# KiCad board tkl_keyboard.kicad_pcb (continued)
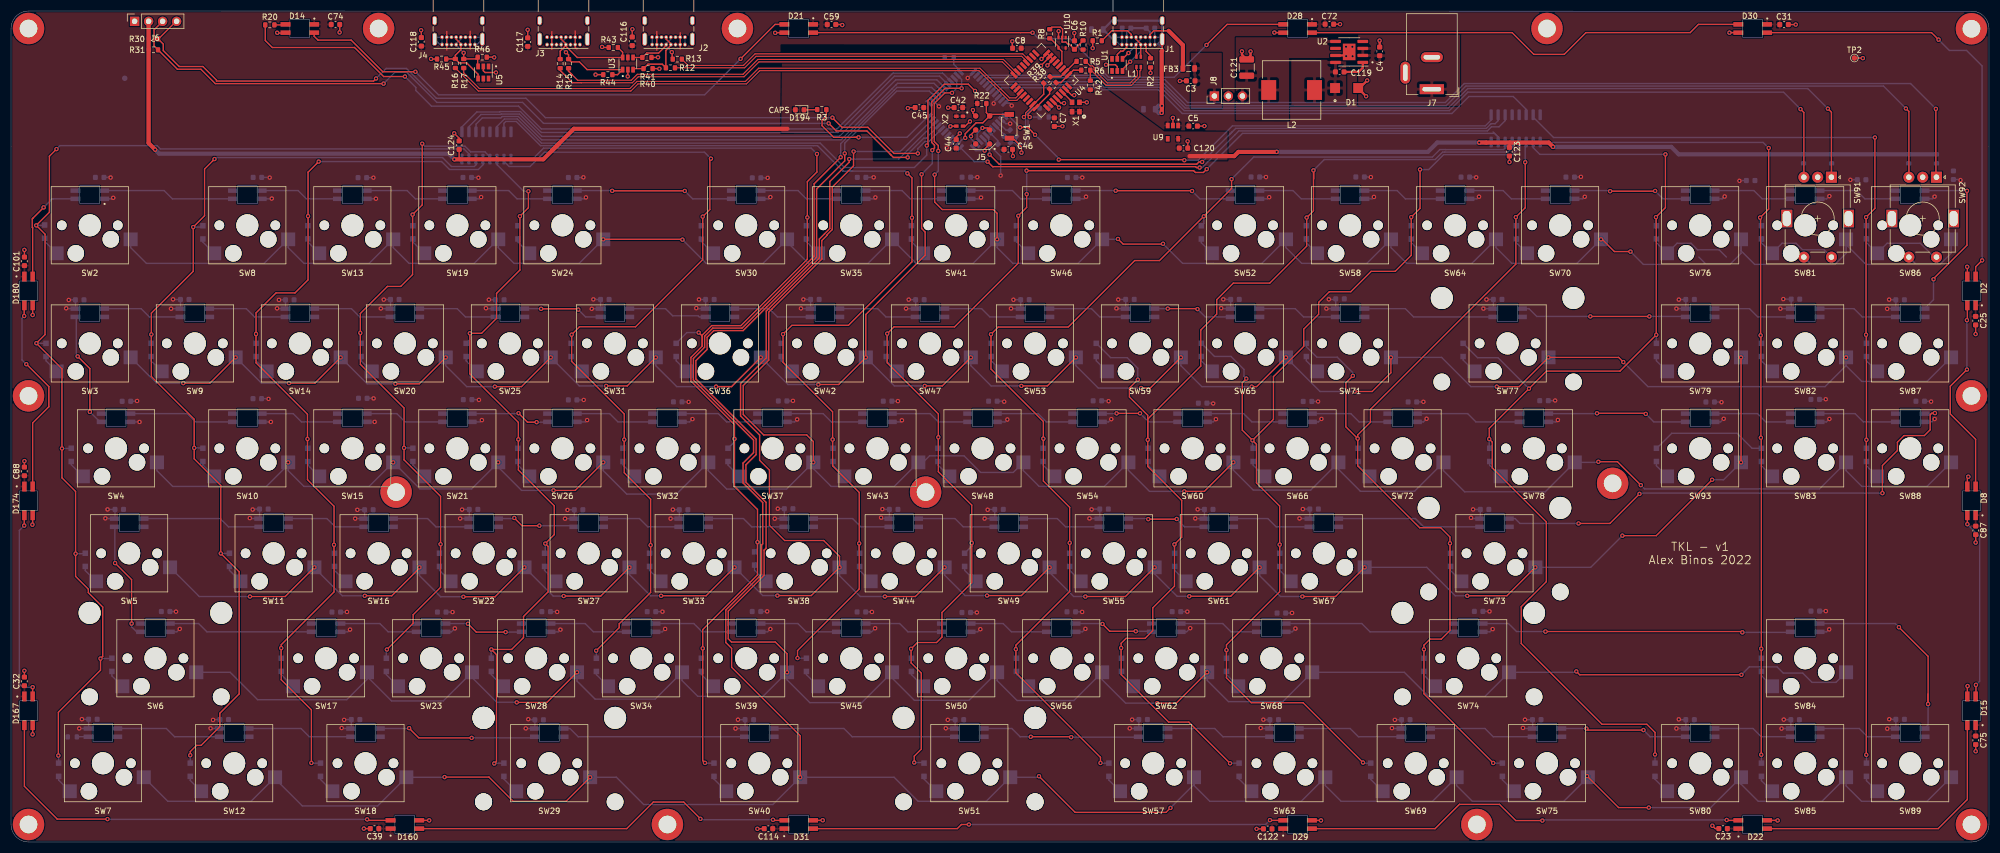
[diagram p0: board, top side]
## Placement (name value [footprint] x y rotation side) (continued)
SW74  K75  [CherryMX_2.75u_PCB_KailhSocket_StabWireBottom]  264.32 33.34 180 top
SW75  K85  [CherryMX_1.25u_PCB_KailhSocket]  278.61 14.29 180 top
SW76  K13  [CherryMX_1.00u_PCB_KailhSocket]  306.39 111.92 180 top
SW77  K29  [CherryMX_2.00u_PCB_KailhSocket_StabWireBottom]  271.46 90.49 180 top
SW78  K45  [CherryMX_1.50u_PCB_KailhSocket]  276.22 71.44 180 top
SW79  K61  [CherryMX_1.00u_PCB_KailhSocket]  306.39 90.49 180 top
SW80  K86  [CherryMX_1.00u_PCB_KailhSocket]  306.39 14.29 180 top
SW81  K14  [CherryMX_1.00u_PCB_KailhSocket]  325.44 111.92 180 top
SW82  K30  [CherryMX_1.00u_PCB_KailhSocket]  325.44 90.49 180 top
SW83  K46  [CherryMX_1.00u_PCB_KailhSocket]  325.44 71.44 180 top
SW84  K76  [CherryMX_1.00u_PCB_KailhSocket]  325.44 33.34 180 top
SW85  K87  [CherryMX_1.00u_PCB_KailhSocket]  325.44 14.29 180 top
SW86  K15  [CherryMX_1.00u_PCB_KailhSocket]  344.49 111.92 180 top
SW87  K31  [CherryMX_1.00u_PCB_KailhSocket]  344.49 90.49 180 top
SW88  K47  [CherryMX_1.00u_PCB_KailhSocket]  344.49 71.44 180 top
SW89  K88  [CherryMX_1.00u_PCB_KailhSocket]  344.49 14.29 180 top
SW91  Rotary_Encoder_Switch  [RotaryEncoder_Alps_EC11E-Switch_Vertical_H20mm]  330.2 120.65 270 top
SW92  Rotary_Encoder_Switch  [RotaryEncoder_Alps_EC11E-Switch_Vertical_H20mm]  349.25 120.65 270 top
SW93  K62  [CherryMX_1.00u_PCB_KailhSocket]  306.39 71.44 180 top
TP1  TestPoint  [TestPoint_Pad_D1.0mm]  20.62 138.6 0 bottom
TP2  TestPoint  [TestPoint_Pad_D1.0mm]  334.37 142.28 0 top
U1  SRV05-4  [SOT-23-6]  200.66 141.03 90 top
U2  ADP2303ARDZ-5.0  [SOIC-8-1EP_3.9x4.9mm_P1.27mm_EP2.29x3mm]  242.72 143.39 180 top
U3  SRV05-4  [SOT-23-6]  111.89 141.28 90 top
U4  -  [TUSB2046b]  186.88 138.22 225 top
U5  SRV05-4  [SOT-23-6]  85.67 139.65 270 top
U6  ATmega32U4-AU  [TQFP-44_10x10mm_P0.8mm]  173.39 132.88 135 bottom
U7  CD74HC138  [SOIC-16_3.9x9.9mm_P1.27mm]  86.23 126.41 270 bottom
U8  CD74HC138  [SOIC-16_3.9x9.9mm_P1.27mm]  272.92 129.51 270 bottom
U9  TCR2EF33  [TCR2EF33_SOT25]  211.71 130.03 180 top
U10  74AHC1G17  [SOT-353_SC-70-5]  190.65 145.06 270 top
X1  -  [625L3C006M00000]  193.8 132.54 90 top
X2  -  [KC2016K]  172.07 130.82 90 top

## Footprints (pads in the part's own frame, mm; a bottom-side part is the same pattern mirrored in y, then rotated)
625L3C006M00000
  rect 1x0.85 smd: 1(0,0) 2(1.7,0) 3(1.7,1.35) 4(0,1.35)
BarrelJack_Wuerth_6941xx301002
  rect 4.4x1.8 hole 3.4x0.8: 1(0,0)
  oval 4x1.8 hole 3x0.8: 2(0,-5.8)
  oval 1.8x4 hole 0.8x3: 3(4.8,-3)
C_0603_1608Metric
  rrect 0.9x0.95 smd: 1(-0.775,0) 2(0.775,0)
C_1210_3225Metric
  rrect 1.15x2.7 smd: 1(-1.475,0) 2(1.475,0)
CherryMX_1.00u_PCB_KailhSocket
  round 1.75 hole 1.75 unplated: (-5.08,0) (5.08,0)
  round 3 hole 3 unplated: (-3.81,2.54) (2.54,5.08)
  round 4 hole 4 unplated: (0,0)
  rect 2.55x2.5 smd far side: 1(-7.41,2.54) 2(6.015,5.08)
CherryMX_1.25u_PCB_KailhSocket
  round 1.75 hole 1.75 unplated: (-5.08,0) (5.08,0)
  round 3 hole 3 unplated: (-3.81,2.54) (2.54,5.08)
  round 4 hole 4 unplated: (0,0)
  rect 2.55x2.5 smd far side: 1(-7.41,2.54) 2(6.015,5.08)
CherryMX_1.50u_PCB_KailhSocket
  round 1.75 hole 1.75 unplated: (-5.08,0) (5.08,0)
  round 3 hole 3 unplated: (-3.81,2.54) (2.54,5.08)
  round 4 hole 4 unplated: (0,0)
  rect 2.55x2.5 smd far side: 1(-7.41,2.54) 2(6.015,5.08)
CherryMX_1.75u_PCB_KailhSocket
  round 1.75 hole 1.75 unplated: (-5.08,0) (5.08,0)
  round 3 hole 3 unplated: (-3.81,2.54) (2.54,5.08)
  round 4 hole 4 unplated: (0,0)
  rect 2.55x2.5 smd far side: 1(-7.41,2.54) 2(6.015,5.08)
CherryMX_2.00u_PCB_KailhSocket_StabWireBottom
  round 3.05 hole 3.05 unplated: (-11.938,7) (11.938,7)
  round 4 hole 4 unplated: (-11.938,-8.24) (0,0) (11.938,-8.24)
  round 1.75 hole 1.75 unplated: (-5.08,0) (5.08,0)
  round 3 hole 3 unplated: (-3.81,2.54) (2.54,5.08)
  rect 2.55x2.5 smd far side: 1(-7.41,2.54) 2(6.015,5.08)
CherryMX_2.25u_PCB_KailhSocket_StabWireBottom
  round 3.05 hole 3.05 unplated: (-11.938,7) (11.938,7)
  round 4 hole 4 unplated: (-11.938,-8.24) (0,0) (11.938,-8.24)
  round 1.75 hole 1.75 unplated: (-5.08,0) (5.08,0)
  round 3 hole 3 unplated: (-3.81,2.54) (2.54,5.08)
  rect 2.55x2.5 smd far side: 1(-7.41,2.54) 2(6.015,5.08)
CherryMX_2.75u_PCB_KailhSocket_StabWireBottom
  round 3.05 hole 3.05 unplated: (-11.938,7) (11.938,7)
  round 4 hole 4 unplated: (-11.938,-8.24) (0,0) (11.938,-8.24)
  round 1.75 hole 1.75 unplated: (-5.08,0) (5.08,0)
  round 3 hole 3 unplated: (-3.81,2.54) (2.54,5.08)
  rect 2.55x2.5 smd far side: 1(-7.41,2.54) 2(6.015,5.08)
CherryMX_6.25u_PCB_KailhSocket_StabWireBottom
  round 3.05 hole 3.05 unplated: (-50,7) (50,7)
  round 4 hole 4 unplated: (-50,-8.24) (0,0) (50,-8.24)
  round 1.75 hole 1.75 unplated: (-5.08,0) (5.08,0)
  round 3 hole 3 unplated: (-3.81,2.54) (2.54,5.08)
  rect 2.55x2.5 smd far side: 1(-7.41,2.54) 2(6.015,5.08)
D_0603_1608Metric
  rrect 0.875x0.95 smd: 1(-0.787,0) 2(0.787,0)
DO-214AC
  rect 1.8x1.8 smd: 1(0,0) 2(4.2,0)
ISP_POGO
  round 1 smd: 1(0,0) 2(2.54,0) 3(0,-2.54) 4(2.54,-2.54) 5(0,-5.08) 6(2.54,-5.08)
KC2016K
  rect 0.6x0.8 smd: 1(0.9,-0.6) 2(-0.9,-0.6) 3(-0.9,0.6) 4(0.9,0.6)
L_10.4x10.4_H4.8
  rect 2.7x3.6 smd: 1(-4.15,0) 2(4.15,0)
L_0805_2012Metric
  rrect 0.875x1.2 smd: 1(-1.062,0) 2(1.062,0)
MountingHole_3.2mm_M3_ISO7380_Pad
  round 5.7 hole 3.2: 1(0,0)
OLED_128_64
  rect 1.7x1.7 hole 1: 1(-3.774,0.025)
  oval 1.7x1.7 hole 1: 2(-1.234,0.025) 3(1.306,0.025) 4(3.846,0.025)
PinHeader_1x03_P2.54mm_Vertical
  rect 1.7x1.7 hole 1: 1(0,0)
  oval 1.7x1.7 hole 1: 2(0,-2.54) 3(0,-5.08)
R_0603_1608Metric
  rrect 0.8x0.95 smd: 1(-0.825,0) 2(0.825,0)
RotaryEncoder_Alps_EC11E-Switch_Vertical_H20mm
  rect 2x2 hole 1: A(0,0)
  round 2 hole 1: B(0,-5) C(0,-2.5) S1(14.5,-5) S2(14.5,0)
  rect 3.2x2 hole 2.8x1.5: MP(7.5,3.1) MP(7.5,-8.1)
SK6812-MINI-E
  rect 1.8x0.82 smd far side: 1(-2.6,0.75) 2(-2.6,-0.75) 3(2.6,-0.75) 4(2.6,0.75)
SMM2012E
  rect 0.45x0.75 smd: 1(-0.4,-0.925) 2(0.4,-0.925) 3(0.4,0.925) 4(-0.4,0.925)
SOD323_HS
  rect 1x1 smd: 1(0,0) 2(2.4,0)
SOIC-8-1EP_3.9x4.9mm_P1.27mm_EP2.29x3mm
  rrect 0.92x1.21 smd: (-0.57,0.75) (-0.57,-0.75) (0.57,0.75) (0.57,-0.75)
  rrect 1.95x0.6 smd: 1(-2.475,1.905) 2(-2.475,0.635) 3(-2.475,-0.635) 4(-2.475,-1.905) 5(2.475,-1.905) 6(2.475,-0.635) 7(2.475,0.635) 8(2.475,1.905)
  rect 2.29x3 smd: 9(0,0)
SOIC-16_3.9x9.9mm_P1.27mm
  rrect 1.95x0.6 smd: 1(-2.475,4.445) 2(-2.475,3.175) 3(-2.475,1.905) 4(-2.475,0.635) 5(-2.475,-0.635) 6(-2.475,-1.905) 7(-2.475,-3.175) 8(-2.475,-4.445) 9(2.475,-4.445) 10(2.475,-3.175) 11(2.475,-1.905) 12(2.475,-0.635) 13(2.475,0.635) 14(2.475,1.905) 15(2.475,3.175) 16(2.475,4.445)
SOT-23-6
  rect 1.06x0.65 smd: 1(-1.1,0.95) 2(-1.1,0) 3(-1.1,-0.95) 4(1.1,-0.95) 5(1.1,0) 6(1.1,0.95)
SOT-353_SC-70-5
  rect 0.65x0.4 smd: 1(-0.95,0.65) 2(-0.95,0) 3(-0.95,-0.65) 4(0.95,-0.65) 5(0.95,0.65)
SW_SPST_B3U-1000P
  rect 0.9x1.7 smd: 1(-2.139,-0.056) 2(2.179,-0.046)
TCR2EF33_SOT25
  rect 0.7x1 smd: 1(0,0) 2(0.95,0) 3(1.9,0) 4(1.9,2.4) 5(0,2.4)
TestPoint_Pad_D1.0mm
  round 1 smd: 1(0,0)
TQFP-44_10x10mm_P0.8mm
  rect 1.5x0.55 smd: 1(-5.7,4) 2(-5.7,3.2) 3(-5.7,2.4) 4(-5.7,1.6) 5(-5.7,0.8) 6(-5.7,0) 7(-5.7,-0.8) 8(-5.7,-1.6) 9(-5.7,-2.4) 10(-5.7,-3.2) 11(-5.7,-4) 23(5.7,-4) 24(5.7,-3.2) 25(5.7,-2.4) 26(5.7,-1.6) 27(5.7,-0.8) 28(5.7,0) 29(5.7,0.8) 30(5.7,1.6) 31(5.7,2.4) 32(5.7,3.2) 33(5.7,4)
  rect 0.55x1.5 smd: 12(-4,-5.7) 13(-3.2,-5.7) 14(-2.4,-5.7) 15(-1.6,-5.7) 16(-0.8,-5.7) 17(0,-5.7) 18(0.8,-5.7) 19(1.6,-5.7) 20(2.4,-5.7) 21(3.2,-5.7) 22(4,-5.7) 34(4,5.7) 35(3.2,5.7) 36(2.4,5.7) 37(1.6,5.7) 38(0.8,5.7) 39(0,5.7) 40(-0.8,5.7) 41(-1.6,5.7) 42(-2.4,5.7) 43(-3.2,5.7) 44(-4,5.7)
TUSB2046b
  rect 1.5x0.55 smd: 1(-4.2,2.8) 2(-4.2,2) 3(-4.2,1.2) 4(-4.2,0.4) 5(-4.2,-0.4) 6(-4.2,-1.2) 7(-4.2,-2) 8(-4.2,-2.8) 17(4.2,-2.8) 18(4.2,-2) 19(4.2,-1.2) 20(4.2,-0.4) 21(4.2,0.4) 22(4.2,1.2) 23(4.2,2) 24(4.2,2.8)
  rect 0.55x1.5 smd: 9(-2.8,-4.2) 10(-2,-4.2) 11(-1.2,-4.2) 12(-0.4,-4.2) 13(0.4,-4.2) 14(1.2,-4.2) 15(2,-4.2) 16(2.8,-4.2) 25(2.8,4.2) 26(2,4.2) 27(1.2,4.2) 28(0.4,4.2) 29(-0.4,4.2) 30(-1.2,4.2) 31(-2,4.2) 32(-2.8,4.2)
USB_C_Receptacle_GCT_USB4085
  round 0.7 hole 0.4: A1(0,0) A4(0.85,0) A5(1.7,0) A6(2.55,0) A7(3.4,0) A8(4.25,0) A9(5.1,0) A12(5.95,0) B1(5.95,-1.35) B4(5.1,-1.35) B5(4.25,-1.35) B6(3.4,-1.35) B7(2.55,-1.35) B8(1.7,-1.35) B9(0.85,-1.35) B12(0,-1.35)
  oval 0.9x2.4 hole 0.6x2.1: S1(-1.35,-0.98) S1(7.3,-0.98)
  oval 0.9x1.7 hole 0.6x1.4: S1(-1.35,-4.36) S1(7.3,-4.36)

## Nets
+3V3: C7.1 C8.1 C42.1 C44.1 C45.1 C46.1 C120.1 C123.1 C124.1 D194.2 J5.2 J6.2 R10.2 R22.1 R30.1 R31.1 R33.1 R34.1 R36.1 R37.1 R42.2 U4.3 U4.10 U4.14 U4.18 U4.22 U4.25 U4.26 U6.2 U6.14 U6.24 U6.34 U6.42 U6.44 U7.16 U8.16 U9.5 U10.5 X1.1 X1.4 X2.1 X2.4
+5V: C5.1 C9.1 C10.1 C11.1 C12.1 C13.1 C14.1 C15.1 C16.1 C17.1 C18.1 C19.1 C20.1 C21.1 C22.1 C23.1 C24.1 C25.1 C26.1 C27.1 C28.1 C29.1 C30.1 C31.1 C32.1 C33.1 C34.1 C35.1 C36.1 C37.1 C38.1 C39.1 C40.1 C41.1 C47.1 C48.1 C49.1 C50.1 C51.1 C52.1 C53.1 C54.1 C55.1 C56.1 C57.1 C58.1 C59.1 C60.1 C61.1 C62.1 C63.1 C64.1 C65.1 C66.1 C67.1 C68.1 C69.1 C70.1 C71.1 C72.1 C73.1 C74.1 C75.1 C76.1 C77.1 C78.1 C79.1 C80.1 C81.1 C82.1 C83.1 C84.1 C85.1 C86.1 C87.1 C88.1 C89.1 C90.1 C91.1 C92.1 C93.1 C94.1 C95.1 C96.1 C97.1 C98.1 C99.1 C100.1 C101.1 C102.1 C103.1 C104.1 C105.1 C106.1 C107.1 C108.1 C109.1 C110.1 C111.1 C112.1 C113.1 C114.1 C115.1 C116.1 C117.1 C118.1 C122.1 D2.1 D3.1 D4.1 D5.1 D6.1 D7.1 D8.1 D9.1 D10.1 D11.1 D12.1 D13.1 D14.1 D15.1 D16.1 D17.1 D18.1 D19.1 D20.1 D21.1 D22.1 D23.1 D24.1 D25.1 D26.1 D27.1 D28.1 D29.1 D30.1 D31.1 D120.1 D121.1 D122.1 D123.1 D124.1 D125.1 D126.1 D127.1 D128.1 D129.1 D130.1 D131.1 D132.1 D133.1 D134.1 D135.1 D136.1 D137.1 D138.1 D139.1 D140.1 D141.1 D142.1 D143.1 D144.1 D145.1 D146.1 D147.1 D148.1 D149.1 D150.1 D151.1 D152.1 D153.1 D154.1 D155.1 D156.1 D157.1 D158.1 D159.1 D160.1 D161.1 D162.1 D163.1 D164.1 D165.1 D166.1 D167.1 D168.1 D169.1 D170.1 D171.1 D172.1 D173.1 D174.1 D175.1 D176.1 D177.1 D178.1 D179.1 D180.1 D181.1 D182.1 D183.1 D184.1 D185.1 D186.1 D187.1 D188.1 D189.1 D190.1 D191.1 D193.1 J2.A4 J2.A9 J2.B4 J2.B9 J3.A4 J3.A9 J3.B4 J3.B9 J4.A4 J4.A9 J4.B4 J4.B9 J8.2 U3.5 U5.5 U6.7 U9.1 U9.3
+5V0_EXT: C121.1 J8.3 L2.2 U2.5
+5V0_USB: C3.1 FB3.1 J8.1
GND: C3.2 C4.2 C5.2 C6.1 C7.2 C8.2 C9.2 C10.2 C11.2 C12.2 C13.2 C14.2 C15.2 C16.2 C17.2 C18.2 C19.2 C20.2 C21.2 C22.2 C23.2 C24.2 C25.2 C26.2 C27.2 C28.2 C29.2 C30.2 C31.2 C32.2 C33.2 C34.2 C35.2 C36.2 C37.2 C38.2 C39.2 C40.2 C41.2 C42.2 C43.2 C44.2 C45.2 C46.2 C47.2 C48.2 C49.2 C50.2 C51.2 C52.2 C53.2 C54.2 C55.2 C56.2 C57.2 C58.2 C59.2 C60.2 C61.2 C62.2 C63.2 C64.2 C65.2 C66.2 C67.2 C68.2 C69.2 C70.2 C71.2 C72.2 C73.2 C74.2 C75.2 C76.2 C77.2 C78.2 C79.2 C80.2 C81.2 C82.2 C83.2 C84.2 C85.2 C86.2 C87.2 C88.2 C89.2 C90.2 C91.2 C92.2 C93.2 C94.2 C95.2 C96.2 C97.2 C98.2 C99.2 C100.2 C101.2 C102.2 C103.2 C104.2 C105.2 C106.2 C107.2 C108.2 C109.2 C110.2 C111.2 C112.2 C113.2 C114.2 C115.2 C116.2 C117.2 C118.2 C120.2 C121.2 C122.2 C123.2 C124.2 D1.2 D2.3 D3.3 D4.3 D5.3 D6.3 D7.3 D8.3 D9.3 D10.3 D11.3 D12.3 D13.3 D14.3 D15.3 D16.3 D17.3 D18.3 D19.3 D20.3 D21.3 D22.3 D23.3 D24.3 D25.3 D26.3 D27.3 D28.3 D29.3 D30.3 D31.3 D120.3 D121.3 D122.3 D123.3 D124.3 D125.3 D126.3 D127.3 D128.3 D129.3 D130.3 D131.3 D132.3 D133.3 D134.3 D135.3 D136.3 D137.3 D138.3 D139.3 D140.3 D141.3 D142.3 D143.3 D144.3 D145.3 D146.3 D147.3 D148.3 D149.3 D150.3 D151.3 D152.3 D153.3 D154.3 D155.3 D156.3 D157.3 D158.3 D159.3 D160.3 D161.3 D162.3 D163.3 D164.3 D165.3 D166.3 D167.3 D168.3 D169.3 D170.3 D171.3 D172.3 D173.3 D174.3 D175.3 D176.3 D177.3 D178.3 D179.3 D180.3 D181.3 D182.3 D183.3 D184.3 D185.3 D186.3 D187.3 D188.3 D189.3 D190.3 D191.3 D193.3 FB1.1 FB2.1 J2.A1 J2.A12 J2.B1 J2.B12 J2.S1 J3.A1 J3.A12 J3.B1 J3.B12 J3.S1 J4.A1 J4.A12 J4.B1 J4.B12 J4.S1 J5.6 J6.1 J7.2 J7.3 R1.1 R2.1 R4.2 R7.2 R21.1 R23.2 R40.2 R41.2 R43.2 R44.2 R45.2 R46.2 SW1.2 SW91.C SW92.C TP1.1 TP2.1 U1.2 U2.7 U2.9 U3.2 U4.6 U4.7 U4.8 U4.27 U4.28 U4.31 U5.2 U6.5 U6.15 U6.23 U6.35 U6.43 U7.4 U7.5 U7.8 U8.4 U8.5 U8.8 U9.2 U10.3 X1.2 X2.2
VBUS: C1.1 C2.1 FB3.2 J1.A4 J1.A9 J1.B4 J1.B9 U1.5
/Column Decoder/COL[0]: D32.1 D33.1 D34.1 D35.1 D36.1 D37.1 U7.15
/Column Decoder/COL[1]: D38.1 D39.1 D40.1 D41.1 D42.1 U7.14
/Column Decoder/COL[2]: D43.1 D44.1 D45.1 D46.1 D47.1 D48.1 U7.13
/Column Decoder/COL[3]: D49.1 D50.1 D51.1 D52.1 D53.1 U7.12
/Column Decoder/COL[4]: D54.1 D55.1 D56.1 D57.1 D58.1 D59.1 U7.11
/Column Decoder/COL[5]: D60.1 D61.1 D62.1 D63.1 D64.1 U7.10
/Column Decoder/COL[6]: D65.1 D66.1 D67.1 D68.1 D69.1 D70.1 U7.9
/Column Decoder/COL[7]: D71.1 D72.1 D73.1 D74.1 D75.1 U7.7
/Column Decoder/COL[8]: D76.1 D77.1 D78.1 D79.1 D80.1 D81.1 U8.15
/Column Decoder/COL[9]: D82.1 D83.1 D84.1 D85.1 D86.1 D87.1 U8.14
/Column Decoder/COL[10]: D88.1 D89.1 D90.1 D91.1 D92.1 D93.1 U8.13
/Column Decoder/COL[11]: D94.1 D95.1 D96.1 D97.1 D98.1 D99.1 U8.12
/Column Decoder/COL[12]: D100.1 D101.1 D102.1 D103.1 D104.1 D105.1 U8.11
/Column Decoder/COL[13]: D106.1 D107.1 D108.1 D109.1 D110.1 U8.10
/Column Decoder/COL[14]: D111.1 D112.1 D113.1 D114.1 D115.1 D192.1 U8.9
/Column Decoder/COL[15]: D116.1 D117.1 D118.1 D119.1 U8.7
/Column Decoder/COL_EN[0]: U6.40 U7.6
/Column Decoder/COL_EN[1]: U6.41 U8.6
/Column Decoder/COLA[0]: U6.29 U7.1
/Column Decoder/COLA[1]: U6.28 U7.2
/Column Decoder/COLA[2]: U6.27 U7.3
/Column Decoder/COLA[3]: U6.1 U8.1
/Column Decoder/COLA[4]: U6.8 U8.2
/Column Decoder/COLA[5]: U6.12 U8.3
/Misc/ENC_A[0]: R36.2 SW91.A U6.38
/Misc/ENC_A[1]: R37.2 SW92.A U6.36
/Misc/ENC_B[0]: R33.2 SW91.B U6.39
/Misc/ENC_B[1]: R34.2 SW92.B U6.37
/Misc/SCL: J6.4 R30.2 U6.18
/Misc/SDA: J6.3 R31.2 U6.19
/Power/DCDC_IN: C4.1 J7.1 U2.2 U2.3
/Power/SW: C119.2 D1.1 L2.1 U2.8
/Switches/ROW[1]: SW3.1 SW9.1 SW14.1 SW20.1 SW25.1 SW31.1 SW36.1 SW42.1 SW47.1 SW53.1 SW59.1 SW65.1 SW71.1 SW77.1 SW82.1 SW87.1 U6.32
/Switches/ROW[2]: SW4.1 SW10.1 SW15.1 SW21.1 SW26.1 SW32.1 SW37.1 SW43.1 SW48.1 SW54.1 SW60.1 SW66.1 SW72.1 SW78.1 SW83.1 SW88.1 U6.21
/Switches/ROW[3]: SW5.1 SW11.1 SW16.1 SW22.1 SW27.1 SW33.1 SW38.1 SW44.1 SW49.1 SW55.1 SW61.1 SW67.1 SW73.1 SW79.1 SW93.1 U6.20
/Switches/ROW[4]: SW6.1 SW17.1 SW23.1 SW28.1 SW34.1 SW39.1 SW45.1 SW50.1 SW56.1 SW62.1 SW68.1 SW74.1 SW84.1 U6.25
/Switches/ROW[5]: SW7.1 SW12.1 SW18.1 SW29.1 SW40.1 SW51.1 SW57.1 SW63.1 SW69.1 SW75.1 SW80.1 SW85.1 SW89.1 U6.26
/uController/RGB_DOUT: R20.1 U6.30
/USB Downstream 0/USBD+: J2.A6 J2.B6 R12.1 R40.1 U3.3
/USB Downstream 0/USBD-: J2.A7 J2.B7 R13.1 R41.1 U3.4
/USB Downstream 1/USBD+: J3.A6 J3.B6 R14.1 R43.1 U3.6
/USB Downstream 1/USBD-: J3.A7 J3.B7 R15.1 R44.1 U3.1
/USB Downstream 2/USBD+: J4.A6 J4.B6 R16.1 R45.1 U5.4
/USB Downstream 2/USBD-: J4.A7 J4.B7 R17.1 R46.1 U5.3
/USB HUB/D1+: R12.2 U4.12
/USB HUB/D1-: R13.2 U4.11
/USB HUB/D2+: R14.2 U4.16
/USB HUB/D2-: R15.2 U4.15
/USB HUB/D3+: R16.2 U4.20
/USB HUB/D3-: R17.2 U4.19
/USB HUB/D4+: R7.1 R18.2 R38.1 U4.24
/USB HUB/D4-: R4.1 R19.2 R39.1 U4.23
/USB HUB/USB_DOWNSTREAM_LOCAL_OUT+: R18.1 U6.4
/USB HUB/USB_DOWNSTREAM_LOCAL_OUT-: R19.1 U6.3
/USB HUB/USB_UPSTREAM_IN+: R6.1 R38.2 U4.1
/USB HUB/USB_UPSTREAM_IN-: R5.1 R39.2 U4.2
/USB Upstream/CD+: J1.A6 J1.B6 L1.3 U1.3
/USB Upstream/CD-: J1.A7 J1.B7 L1.4 U1.4
/USB Upstream/D+: L1.2 R6.2 R42.1
/USB Upstream/D-: L1.1 R5.2
ENC_COL[0]: D111.2 SW81.2 SW91.S2
ENC_COL[1]: D116.2 SW86.2 SW92.S2
ENC_ROW: SW2.1 SW8.1 SW13.1 SW19.1 SW24.1 SW30.1 SW35.1 SW41.1 SW46.1 SW52.1 SW58.1 SW64.1 SW70.1 SW76.1 SW81.1 SW86.1 SW91.S1 SW92.S1 U6.31
MISO: J5.1 U6.11
MOSI: J5.4 U6.10
nCAPS: R3.1 U6.22
RST: J5.5 R22.2 SW1.1 U6.13
SCK: J5.3 U6.9
UG_OUT: D3.4 D180.2
Net-(C1-Pad2): C1.2 C2.2 FB1.2 FB2.2 J1.A1 J1.A12 J1.B1 J1.B12 J1.S1
Net-(C6-Pad2): C6.2 R8.1 R10.1 U10.2
Net-(C43-Pad1): C43.1 U6.6
Net-(C119-Pad1): C119.1 U2.1
Net-(D2-Pad2): D2.2 D8.4
Net-(D2-Pad4): D2.4 D30.2
Net-(D3-Pad2): D3.2 D9.4
Net-(D4-Pad4): D4.4 D7.2
Net-(D10-Pad2): D5.4 D10.2
Net-(D10-Pad4): D10.4 D20.2
Net-(D11-Pad2): D11.2 R21.2
Net-(D11-Pad4): D11.4 D17.2
Net-(D12-Pad2): D6.4 D12.2
Net-(D12-Pad4): D12.4 D183.2
Net-(D13-Pad2): D13.2 D24.4
Net-(D13-Pad4): D4.2 D13.4
Net-(D14-Pad2): D14.2 D21.4
Net-(D14-Pad4): D14.4 R20.2
Net-(D15-Pad2): D15.2 D22.4
Net-(D15-Pad4): D8.2 D15.4
Net-(D16-Pad2): D16.2 D23.4
Net-(D16-Pad4): D9.2 D16.4
Net-(D18-Pad2): D7.4 D18.2
Net-(D18-Pad4): D18.4 D27.2
Net-(D19-Pad4): D19.4 D26.2
Net-(D21-Pad2): D21.2 D28.4
Net-(D22-Pad2): D22.2 D29.4
Net-(D25-Pad4): D5.2 D25.4
Net-(D28-Pad2): D28.2 D30.4
Net-(D29-Pad2): D29.2 D31.4
Net-(D32-Pad2): D32.2 SW2.2
Net-(D33-Pad2): D33.2 SW3.2
Net-(D34-Pad2): D34.2 SW4.2
Net-(D35-Pad2): D35.2 SW5.2
Net-(D36-Pad2): D36.2 SW6.2
Net-(D37-Pad2): D37.2 SW7.2
Net-(D38-Pad2): D38.2 SW8.2
Net-(D39-Pad2): D39.2 SW9.2
Net-(D40-Pad2): D40.2 SW10.2
Net-(D41-Pad2): D41.2 SW11.2
Net-(D42-Pad2): D42.2 SW12.2
Net-(D43-Pad2): D43.2 SW13.2
Net-(D44-Pad2): D44.2 SW14.2
Net-(D45-Pad2): D45.2 SW15.2
Net-(D46-Pad2): D46.2 SW16.2
Net-(D47-Pad2): D47.2 SW17.2
Net-(D48-Pad2): D48.2 SW18.2
Net-(D49-Pad2): D49.2 SW19.2
Net-(D50-Pad2): D50.2 SW20.2
Net-(D51-Pad2): D51.2 SW21.2
Net-(D52-Pad2): D52.2 SW22.2
Net-(D53-Pad2): D53.2 SW23.2
Net-(D54-Pad2): D54.2 SW24.2
Net-(D55-Pad2): D55.2 SW25.2
Net-(D56-Pad2): D56.2 SW26.2
Net-(D57-Pad2): D57.2 SW27.2
Net-(D58-Pad2): D58.2 SW28.2
Net-(D59-Pad2): D59.2 SW29.2
Net-(D60-Pad2): D60.2 SW30.2
Net-(D61-Pad2): D61.2 SW31.2
Net-(D62-Pad2): D62.2 SW32.2
Net-(D63-Pad2): D63.2 SW33.2
Net-(D64-Pad2): D64.2 SW34.2
Net-(D65-Pad2): D65.2 SW35.2
Net-(D66-Pad2): D66.2 SW36.2
Net-(D67-Pad2): D67.2 SW37.2
Net-(D68-Pad2): D68.2 SW38.2
Net-(D69-Pad2): D69.2 SW39.2
Net-(D70-Pad2): D70.2 SW40.2
Net-(D71-Pad2): D71.2 SW41.2
Net-(D72-Pad2): D72.2 SW42.2
Net-(D73-Pad2): D73.2 SW43.2
Net-(D74-Pad2): D74.2 SW44.2
Net-(D75-Pad2): D75.2 SW45.2
Net-(D76-Pad2): D76.2 SW46.2
Net-(D77-Pad2): D77.2 SW47.2
Net-(D78-Pad2): D78.2 SW48.2
Net-(D79-Pad2): D79.2 SW49.2
Net-(D80-Pad2): D80.2 SW50.2
Net-(D81-Pad2): D81.2 SW51.2
Net-(D82-Pad2): D82.2 SW52.2
Net-(D83-Pad2): D83.2 SW53.2
Net-(D84-Pad2): D84.2 SW54.2
Net-(D85-Pad2): D85.2 SW55.2
Net-(D86-Pad2): D86.2 SW56.2
Net-(D87-Pad2): D87.2 SW57.2
Net-(D88-Pad2): D88.2 SW58.2
Net-(D89-Pad2): D89.2 SW59.2
Net-(D90-Pad2): D90.2 SW60.2
Net-(D91-Pad2): D91.2 SW61.2
Net-(D92-Pad2): D92.2 SW62.2
Net-(D93-Pad2): D93.2 SW63.2
Net-(D94-Pad2): D94.2 SW64.2
Net-(D95-Pad2): D95.2 SW65.2
Net-(D96-Pad2): D96.2 SW66.2
Net-(D97-Pad2): D97.2 SW67.2
Net-(D98-Pad2): D98.2 SW68.2
Net-(D99-Pad2): D99.2 SW69.2
Net-(D100-Pad2): D100.2 SW70.2
Net-(D101-Pad2): D101.2 SW71.2
Net-(D102-Pad2): D102.2 SW72.2
Net-(D103-Pad2): D103.2 SW73.2
Net-(D104-Pad2): D104.2 SW74.2
Net-(D105-Pad2): D105.2 SW75.2
Net-(D106-Pad2): D106.2 SW76.2
Net-(D107-Pad2): D107.2 SW77.2
Net-(D108-Pad2): D108.2 SW78.2
Net-(D109-Pad2): D109.2 SW79.2
Net-(D110-Pad2): D110.2 SW80.2
Net-(D112-Pad2): D112.2 SW82.2
Net-(D113-Pad2): D113.2 SW83.2
Net-(D114-Pad2): D114.2 SW84.2
Net-(D115-Pad2): D115.2 SW85.2
Net-(D117-Pad2): D117.2 SW87.2
Net-(D118-Pad2): D118.2 SW88.2
Net-(D119-Pad2): D119.2 SW89.2
Net-(D120-Pad2): D20.4 D120.2
Net-(D120-Pad4): D120.4 D125.2
Net-(D121-Pad2): D17.4 D121.2
Net-(D121-Pad4): D121.4 D131.2
Net-(D122-Pad2): D122.2 D127.4
Net-(D122-Pad4): D24.2 D122.4
Net-(D123-Pad2): D123.2 D128.4
Net-(D123-Pad4): D25.2 D123.4
Net-(D124-Pad2): D27.4 D124.2
Net-(D124-Pad4): D124.4 D129.2
Net-(D125-Pad4): D125.4 D130.2
Net-(D126-Pad2): D126.2 D132.4
Net-(D126-Pad4): D23.2 D126.4
Net-(D127-Pad2): D127.2 D133.4
Net-(D128-Pad2): D128.2 D134.4
Net-(D129-Pad4): D129.4 D135.2
Net-(D130-Pad4): D130.4 D136.2
Net-(D131-Pad4): D131.4 D142.2
Net-(D132-Pad2): D132.2 D137.4
Net-(D133-Pad2): D133.2 D138.4
Net-(D134-Pad2): D134.2 D139.4
Net-(D135-Pad4): D135.4 D140.2
Net-(D136-Pad4): D136.4 D141.2
Net-(D137-Pad2): D137.2 D143.4
Net-(D138-Pad2): D138.2 D144.4
Net-(D139-Pad2): D139.2 D145.4
Net-(D140-Pad4): D140.4 D146.2
Net-(D141-Pad4): D141.4 D147.2
Net-(D142-Pad4): D142.4 D153.2
Net-(D143-Pad2): D143.2 D148.4
Net-(D144-Pad2): D144.2 D149.4
Net-(D145-Pad2): D145.2 D150.4
Net-(D146-Pad4): D146.4 D151.2
Net-(D147-Pad4): D147.4 D152.2
Net-(D148-Pad2): D148.2 D154.4
Net-(D149-Pad2): D149.2 D155.4
Net-(D150-Pad2): D150.2 D156.4
Net-(D151-Pad4): D151.4 D157.2
Net-(D152-Pad4): D152.4 D158.2
Net-(D153-Pad4): D153.4 D159.2
Net-(D154-Pad2): D154.2 D161.4
Net-(D155-Pad2): D155.2 D162.4
Net-(D156-Pad2): D156.2 D163.4
Net-(D157-Pad4): D157.4 D164.2
Net-(D158-Pad4): D158.4 D165.2
Net-(D159-Pad4): D159.4 D166.2
Net-(D160-Pad2): D160.2 D167.4
Net-(D160-Pad4): D31.2 D160.4
Net-(D161-Pad2): D161.2 D168.4
Net-(D162-Pad2): D162.2 D169.4
Net-(D163-Pad2): D163.2 D170.4
Net-(D164-Pad4): D164.4 D171.2
Net-(D165-Pad4): D165.4 D172.2
Net-(D166-Pad4): D166.4 D173.2
Net-(D167-Pad2): D167.2 D174.4
Net-(D168-Pad2): D168.2 D175.4
Net-(D169-Pad2): D169.2 D176.4
Net-(D170-Pad2): D170.2 D177.4
Net-(D171-Pad4): D6.2 D171.4
Net-(D172-Pad4): D172.4 D178.2
Net-(D173-Pad4): D173.4 D179.2
Net-(D174-Pad2): D174.2 D180.4
Net-(D175-Pad2): D175.2 D181.4
Net-(D176-Pad2): D176.2 D182.4
Net-(D177-Pad2): D177.2 D187.4
Net-(D178-Pad4): D178.4 D190.2
Net-(D179-Pad4): D179.4 D184.2
Net-(D181-Pad2): D181.2 D185.4
Net-(D182-Pad2): D182.2 D193.4
Net-(D183-Pad4): D19.2 D183.4
Net-(D184-Pad4): D184.4 D188.2
Net-(D185-Pad2): D185.2 D189.4
Net-(D186-Pad2): D186.2 D190.4
Net-(D186-Pad4): D186.4 D193.2
Net-(D187-Pad2): D187.2 D191.4
Net-(D188-Pad4): D188.4 D191.2
Net-(D189-Pad2): D26.4 D189.2
Net-(D192-Pad2): D192.2 SW93.2
Net-(D194-Pad1): D194.1 R3.2
Net-(H1-Pad1): H1.1
Net-(H2-Pad1): H2.1
Net-(H3-Pad1): H3.1
Net-(H4-Pad1): H4.1
Net-(H5-Pad1): H5.1
Net-(H6-Pad1): H6.1
Net-(H7-Pad1): H7.1
Net-(H8-Pad1): H8.1
Net-(H9-Pad1): H9.1
Net-(H10-Pad1): H10.1
Net-(H11-Pad1): H11.1
Net-(H12-Pad1): H12.1
Net-(H13-Pad1): H13.1
Net-(H14-Pad1): H14.1
Net-(J1-PadA5): J1.A5 R2.2
Net-(J1-PadA8): J1.A8
Net-(J1-PadB5): J1.B5 R1.2
Net-(J1-PadB8): J1.B8
Net-(J2-PadA5): J2.A5
Net-(J2-PadA8): J2.A8
Net-(J2-PadB5): J2.B5
Net-(J2-PadB8): J2.B8
Net-(J3-PadA5): J3.A5
Net-(J3-PadA8): J3.A8
Net-(J3-PadB5): J3.B5
Net-(J3-PadB8): J3.B8
Net-(J4-PadA5): J4.A5
Net-(J4-PadA8): J4.A8
Net-(J4-PadB5): J4.B5
Net-(J4-PadB8): J4.B8
Net-(R8-Pad2): R8.2 U4.4 U10.4
Net-(R23-Pad1): R23.1 U6.33
Net-(U1-Pad1): U1.1
Net-(U1-Pad6): U1.6
Net-(U2-Pad4): U2.4
Net-(U2-Pad6): U2.6
Net-(U4-Pad5): U4.5
Net-(U4-Pad9): U4.9
Net-(U4-Pad13): U4.13
Net-(U4-Pad17): U4.17
Net-(U4-Pad21): U4.21
Net-(U4-Pad29): U4.29
Net-(U4-Pad30): U4.30 X1.3
Net-(U4-Pad32): U4.32
Net-(U5-Pad1): U5.1
Net-(U5-Pad6): U5.6
Net-(U6-Pad16): U6.16
Net-(U6-Pad17): U6.17 X2.3
Net-(U9-Pad4): U9.4
Net-(U10-Pad1): U10.1

Pads without a net: SW91 MP; SW92 MP

## Via types
v1: diameter 0.8, hole 0.4, Top to Bottom, 394 vias
v2: diameter 0.813, hole 0.406, Top to Bottom, 180 vias

## Routing (per net, layer and track width the routed paths; a pad name or vN(x,y) marks a point on that pad's centre or on a via; arc(x,y) is an arc through that point)
+3V3: length 298.7
  Top w0.25: 81.43,123.89 81.28,124.05 C124.1
  Top w0.254: 88.09,124.35 88.09,124.05 88.24,123.89
  Top w0.406: C123.1 271.78,126.83 271.89,126.94
  Top w0.762: 99.37,126.72 98.82,126.17 ; 98.82,126.17 98.14,125.49 ; 98.82,126.17 99.47,126.82 ; 213.77,124.48 221.87,124.48 222.63,125.24 v1(229.57,125.24) ; J6.2 24.95,126.84 v1(26.14,125.66) ; 140.82,129.44 102.09,129.44 98.14,125.49 ; v1(266.32,126.94) 278.92,126.94 v1(279.7,126.16) ; 98.14,125.49 96.55,123.89 v1(80.42,123.89)
  Bottom w0.25: U6.34 174.6,139.72 v1(173.53,138.66)
  Bottom w0.254: v1(168.31,133.51) 167.17,134.65 U6.24 ; v1(181.23,130.37) 180.43,130.37 U6.2 ; v1(80.42,123.89) 80.42,123.89 81.81,123.89 ; U6.42 178.23,134.33 v1(178.23,134.03) ; 268.49,126.96 268.47,126.94 267.61,126.94 267.87,126.94 ; v1(181.51,133.65) 181.07,134.09 U6.44 ; v1(169.72,126.03) 170.85,127.16 U6.14
  Bottom w0.762: R37.1 302.49,124.81 301.14,126.16 v1(279.7,126.16) ; 267.61,126.94 v1(266.32,126.94) 258.7,126.94 257,125.24 v1(229.57,125.24) 229.69,125.24 ; v1(26.14,125.66) 26.87,124.92 79.39,124.92 v1(80.42,123.89)
+5V: length 373.7
  Top w0.254: 79.04,143.75 J4.A9 J4.B4 79.04,147.1 ; 102.64,143.92 102.34,144.22 J3.A4 J3.B9 102.34,147.16 ; 83.29,143.88 J4.A4 J4.B9 83.29,147.13 ; 117.14,143.72 J2.A9 J2.B4 117.14,147.09 ; 121.39,146.86 J2.B9 J2.A4 121.39,143.92 ; 98.09,143.85 J3.A9 J3.B4 98.09,147.05
  Bottom w0.25: v2(59.97,20.68) 60.07,20.59 D121.1 61.72,20.62 C89.1 60.47,22.22 v2(60.42,22.16) ; v1(280.09,80.13) 280.05,80.09 C64.1 ; v1(156.48,120.63) 156.46,120.62 C21.1 ; D177.1 268.26,38.14 v2(268.76,38.64) ; v2(234.32,60.42) C35.1 235.58,58.75 D172.1 233.74,58.69 v2(233.72,58.72) ; v2(123.61,76.75) 123.1,76.24 D133.1 121.67,76.24 ; v2(285.46,117.1) 285.08,116.72 D175.1 ; v2(232.98,38.74) 232.38,38.14 D170.1 ; v1(65.76,80.5) 65.74,80.52 C50.1 ; v2(329.8,38.6) 329.35,38.14 D187.1 328.04,38.14 ; v2(320.95,96.79) 320.95,96.79 D19.1 ; v2(181.38,96.83) 181.42,96.79 D157.1 183.14,98.42 C77.1 181.84,98.42 v2(181.83,98.41) ; v2(86.15,96.88) 86.23,96.79 D129.1 87.89,98.39 C109.1 86.7,98.39 v2(86.67,98.41) ; v2(30.61,38.67) 30.08,38.14 D5.1 ; v2(237.69,76.78) 237.15,76.24 D169.1 ; C37.1 46.67,80.46 v1(46.71,80.42) ; C52.1 246.63,120.69 v1(246.66,120.67) ; v2(199.57,76.74) 199.07,76.24 D155.1 ; v2(48.25,96.85) 48.31,96.79 D27.1 49.78,96.8 C111.1 48.61,98.39 v2(48.6,98.38) ; D181.1 310.41,116.72 v2(310.83,117.15) ; C83.1 84.73,120.61 v1(84.79,120.55) ; D189.1 348.51,116.72 v2(348.91,117.13) ; v2(169.92,22.17) 169.94,22.19 C65.1 171.25,20.61 D153.1 169.6,20.59 v2(169.56,20.64) ; v2(124.79,98.46) 124.79,98.46 C16.1 125.99,98.45 D140.1 124.39,96.79 v2(124.3,96.89) ; v2(65.95,76.24) 65.95,76.24 D24.1 64.52,76.24 ; C93.1 232.33,41.55 v2(232.36,41.57) ; v2(36.64,22.16) 36.7,22.22 C62.1 37.9,20.61 D17.1 36.23,20.59 v2(36.19,20.63) ; v2(104.5,76.56) 104.17,76.24 D127.1 102.62,76.24 ; D193.1 310.1,76.24 v2(310.66,76.81) ; v2(131.86,22.19) C113.1 133.15,20.61 D142.1 v2(131.42,20.59) ; C14.1 122.9,79.88 v1(122.91,79.86) ; v2(43.31,58.78) 43.4,58.69 D20.1 45.09,58.75 45.09,60.42 43.91,60.42 v2(43.83,60.34) ; v1(199.09,80) 199.02,80.07 C103.1 ; v2(137.74,38.65) 137.24,38.14 D139.1 ; D163.1 213.23,38.14 v2(213.89,38.8) ; v2(10,96.86) 10.07,96.79 D7.1 11.69,98.39 C70.1 10.51,98.39 v2(10.48,98.37) ; C22.1 256.16,79.86 v1(256.18,79.89) ; v2(214.81,58.71) 214.83,58.69 D165.1 216.47,58.7 C10.1 215.23,60.36 v2(215.23,60.36) ; v2(23.31,76.23) 23.3,76.24 D4.1 21.64,76.23 ; v2(156.78,116.97) 156.53,116.72 D137.1 ; v2(321.55,22.22) 321.58,22.19 C40.1 322.83,20.6 D188.1 321.15,20.59 v2(321.15,20.59) ; D149.1 180.29,76.24 v2(180.72,76.68) ; v2(302.51,22.26) 302.58,22.19 C81.1 303.78,20.6 D184.1 302.08,20.59 v2(302.08,20.6) ; v2(158.06,60.41) 158.11,60.36 C110.1 159.32,58.7 D147.1 157.99,58.69 v2(157.82,58.87) ; v2(142.59,76.7) 142.14,76.24 D138.1 ; C104.1 265.72,120.67 v1(265.76,120.63) ; D145.1 156.09,38.14 v2(156.73,38.79) ; D182.1 280.23,76.24 v2(280.58,76.59) ; v2(227.16,22.2) 227.17,22.19 C15.1 228.35,20.63 D166.1 226.78,20.59 v2(226.68,20.69) ; v1(284.76,120.72) 284.71,120.67 C94.1 ; D123.1 79.88,38.14 v2(80.51,38.77) ; v1(141.83,80.07) 141.81,80.04 C85.1 ; v2(66.19,116.74) 66.17,116.72 D16.1 ; v2(238.59,96.81) 238.6,96.79 D6.1 240.29,98.47 240.28,98.47 239.06,98.47 v2(239.03,98.49) ; v2(247.22,117.06) 246.88,116.72 D161.1 ; 174.04,38.13 D150.1 175.34,38.14 v2(175.82,38.62) ; v2(177.15,60.29) 177.21,60.36 C18.1 178.44,58.75 D152.1 176.61,58.69 v2(176.6,58.7) ; v2(195.62,58.72) 195.65,58.69 D158.1 197.48,58.75 C108.1 196.08,60.42 v2(196.01,60.35) ; C34.1 18.03,120.62 v1(18.06,120.59) ; D9.1 47.24,116.72 v2(47.29,116.78) ; v2(203.35,22.21) 203.36,22.22 C105.1 204.57,20.6 D159.1 202.96,20.59 v2(202.92,20.63) ; v1(348.28,79.93) 348.22,79.99 C41.1 ; v1(329.17,80.36) 329.13,80.32 C79.1 ; v2(274.25,20.7) 274.35,20.59 D179.1 276.01,22.16 C57.1 274.62,22.19 v2(274.61,22.2) ; C97.1 v2(156.16,41.75) ; v2(17.51,60.35) 17.51,60.36 C63.1 18.86,58.72 D10.1 17.15,58.69 v2(17.11,58.73) ; D144.1 161.3,76.24 v2(161.59,76.53) ; v2(228.22,117.02) 227.92,116.72 D154.1 ; v2(62.81,60.28) 62.82,60.29 C82.1 64.14,58.75 D120.1 62.43,58.69 v2(62.43,58.7) ; v2(340.32,20.57) 340.35,20.59 D191.1 341.88,20.6 C91.1 340.7,22.26 v2(340.68,22.28) ; v2(85.41,76.56) 85.09,76.24 D122.1 83.57,76.24 ; v2(12.38,20.61) 12.39,20.59 D11.1 14.07,20.6 C29.1 12.88,22.27 v2(12.86,22.29) ; v2(302.09,96.8) 302.09,96.79 D183.1 303.78,96.8 C55.1 302.54,98.46 v2(302.52,98.43) ; v2(200.84,98.44) 200.86,98.47 C73.1 202.18,96.8 D164.1 200.56,96.79 v2(200.51,96.84) ; v2(329.83,76.78) 329.3,76.24 D186.1 ; v2(267.63,98.45) 267.64,98.47 C38.1 268.88,96.82 D12.1 267.09,96.79 v2(267.07,96.81) ; v2(162.35,96.81) 162.36,96.79 D151.1 164.09,98.42 C30.1 162.84,98.42 v2(162.83,98.43) ; v1(180.15,79.91) 180.06,80 C96.1 ; v1(333.64,120.17) 333.65,120.19 C68.1 ; v2(29.39,98.48) 29.42,98.46 C61.1 30.73,96.8 D18.1 29.03,96.79 v2(29.03,96.79) ; v2(29.92,41.8) 29.9,41.83 C90.1 ; C33.1 313.56,120.05 v1(313.51,120) ; v2(105.34,96.77) 105.36,96.79 D135.1 106.93,96.8 C20.1 105.65,98.46 v2(105.63,98.47) ; v2(93.82,22.28) 93.93,22.17 C9.1 95.02,20.6 D131.1 93.38,20.59 v2(93.37,20.61) ; C51.1 310.22,79.85 v1(310.26,79.81) ; v2(321.46,98.53) 321.47,98.52 C36.1 322.9,96.85 D19.1 ; v2(329.82,117.21) 329.33,116.72 D185.1 ; v2(100.49,58.68) 100.51,58.69 102.17,58.69 102.17,58.7 C80.1 100.96,60.29 v2(100.93,60.26) ; D134.1 118.13,38.14 v2(118.65,38.66) ; v2(194.28,41.75) 194.26,41.78 C27.1 ; D25.1 61.09,38.14 v2(61.49,38.55) ; D190.1 348.4,76.24 v2(348.93,76.77) ; C54.1 v2(213.36,41.8) ; C100.1 175.26,120.64 v1(175.27,120.66) ; D128.1 99.26,38.14 v2(99.66,38.54) ; v2(137.73,117.04) 137.42,116.72 D132.1 ; v2(67.6,98.43) 67.63,98.46 C106.1 68.83,96.8 D124.1 67.1,96.79 v2(67.07,96.82) ; v2(265.2,60.36) 265.2,60.36 C13.1 266.51,58.72 D178.1 264.96,58.69 v2(264.82,58.84) ; D176.1 256.2,76.24 v2(256.76,76.81) ; 352.32,120.24 353.5,120.24 v1(353.62,120.12) ; D19.1 322.05,96.79 ; C12.1 v1(103.89,80.23) ; v2(143.72,98.46) 143.73,98.47 C86.1 145.03,96.8 D146.1 143.33,96.79 v2(143.28,96.84) ; v2(60.93,41.75) 60.91,41.73 C11.1 ; C76.1 v1(65.74,120.57) ; D23.1 84.96,116.72 v2(85.27,117.04) ; C53.1 218,79.65 v1(218.06,79.58) ; v1(46.91,120.58) 46.88,120.62 C99.1 ; v1(22.86,80.04) 22.8,79.98 C19.1 ; v2(137.16,41.85) 137.13,41.83 C67.1 ; v2(195,117.11) 194.61,116.72 D148.1 ; C78.1 99.01,41.8 v2(99.06,41.75) ; C48.1 v1(137.25,120.53) ; C95.1 103.78,120.59 v1(103.82,120.63) ; v2(139.08,60.49) 139.08,60.48 C47.1 140.27,58.7 140.27,58.69 138.55,58.69 v2(138.53,58.67) ; D162.1 218.06,76.24 v2(218.56,76.74) ; v2(47.13,76.24) 47.13,76.24 D13.1 45.47,76.24 ; v2(18.54,116.91) 18.36,116.72 D3.1 ; C69.1 v1(227.63,120.68) ; C98.1 v2(118.16,41.8) ; v2(175.95,116.96) 175.71,116.72 D143.1 ; v2(104.28,116.99) 104.02,116.72 D126.1 ; v1(237.08,79.94) 237.07,79.95 C115.1 ; C49.1 160.86,80 v1(160.87,80.02) ; v2(219.89,98.48) 219.9,98.47 C66.1 221.23,96.8 D171.1 219.59,96.79 v2(219.51,96.88) ; v2(340.3,96.77) 340.33,96.79 D26.1 341.88,96.8 C71.1 340.72,98.39 v2(340.67,98.44) ; v2(250.48,20.67) 250.56,20.59 D173.1 252.22,20.62 C56.1 251.04,22.19 v2(251.01,22.16) ; C107.1 84.82,80.28 v1(84.87,80.23) ; D156.1 194.33,38.14 v2(194.87,38.69) ; v2(81.81,60.33) 81.84,60.36 C58.1 83.12,58.7 D125.1 81.48,58.69 v2(81.47,58.71) ; C112.1 v1(194.31,120.59) ; 328.04,41.9 v2(329.18,41.9) ; D168.1 265.89,116.72 v2(266.28,117.11) ; C28.1 v2(80.09,41.73) ; C24.1 v2(175.18,41.65) ; v2(120.05,60.32) 120.08,60.29 C92.1 121.22,58.7 D136.1 119.64,58.69 v2(119.64,58.7) ; C26.1 v2(268.17,41.85)
  Bottom w0.254: v1(179.5,120.95) 179.5,124.43 177.34,126.59 177.34,127.8 U6.7
